# KiCad board Decent1200-Modern.kicad_pcb (continued)
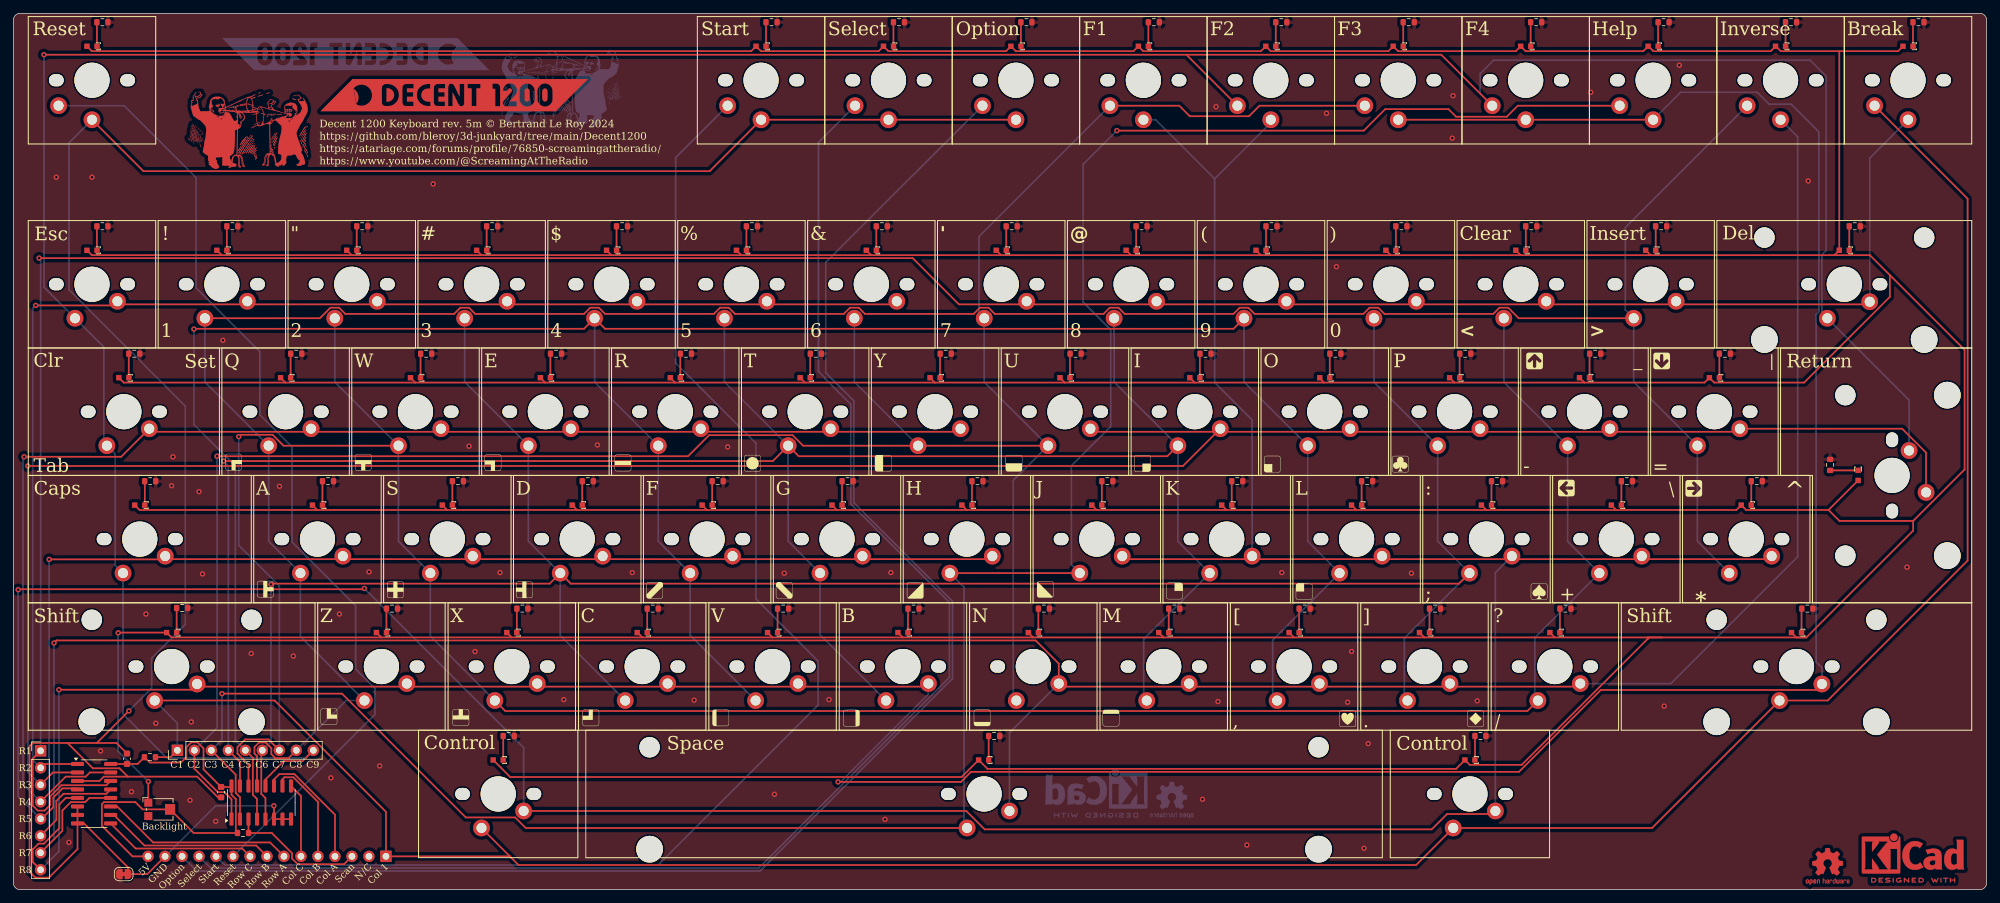
[diagram p0: board, top side]
## Nets
GND: C1.1 C2.1 J1.14 JP4.1 SWOption1.2 SWReset1.2 SWSelect1.2 SWStart1.2 U1.3 U1.6 U1.7 U1.8 U2.6 U2.7 U2.8
VCC_LED: RV1.1 SW0.4 SW1.4 SW2.4 SW3.4 SW4.4 SW5.4 SW6.4 SW7.4 SW8.4 SW9.4 SWA1.4 SWB1.4 SWBrk1.4 SWC1.4 SWComma1.4 SWCps1.4 SWCtl1.4 SWCtl2.4 SWD1.4 SWDash1.4 SWDel2.4 SWE1.4 SWEqual1.4 SWEsc1.4 SWF1.4 SWFn1.4 SWFn2.4 SWFn3.4 SWFn4.4 SWG1.4 SWGT1.4 SWH1.4 SWHlp1.4 SWI1.4 SWInv1.4 SWJ1.4 SWK1.4 SWL1.4 SWLeftSft1.4 SWLT1.4 SWM1.4 SWN1.4 SWO1.4 SWOption1.4 SWP1.4 SWPeriod1.4 SWPlus1.4 SWQ1.4 SWR1.4 SWReset1.4 SWRet2.4 SWRightSft1.4 SWS1.4 SWSelect1.4 SWSemi1.4 SWSlash1.4 SWSpc1.4 SWStar1.4 SWStart1.4 SWT1.4 SWTab1.4 SWU1.4 SWV1.4 SWW1.4 SWX1.4 SWY1.4 SWZ1.4
VDD: C1.2 C2.2 J1.15 R69.1 R70.1 RV1.2 U1.16 U2.16
COL_1: J1.1 J2.1 R70.2 SWBrk1.1 SWCtl1.1 SWCtl2.1 SWLeftSft1.1 SWRightSft1.1
COL_2: J2.2 SW6.1 SW7.1 SWFn1.1 SWFn3.1 SWN1.1 SWU1.1 SWY1.1 U2.1
COL_3: J2.3 SWH1.1 SWHlp1.1 SWJ1.1 SWSpc1.1 U2.2
COL_4: J2.4 SW5.1 SW8.1 SWB1.1 SWG1.1 SWI1.1 SWK1.1 SWM1.1 SWT1.1 U2.15
COL_5: J2.5 SW4.1 SW9.1 SWComma1.1 SWF1.1 SWL1.1 SWO1.1 SWR1.1 SWV1.1 U2.4
COL_6: J2.6 SW0.1 SW3.1 SWC1.1 SWD1.1 SWE1.1 SWP1.1 SWPeriod1.1 SWSemi1.1 U2.5
COL_7: J2.7 SW2.1 SWDash1.1 SWLT1.1 SWPlus1.1 SWS1.1 SWSlash1.1 SWW1.1 SWX1.1 U2.14
COL_8: J2.8 SW1.1 SWA1.1 SWEqual1.1 SWGT1.1 SWInv1.1 SWQ1.1 SWStar1.1 SWZ1.1 U2.13
COL_9: J2.9 SWCps1.1 SWDel2.1 SWEsc1.1 SWFn2.1 SWFn4.1 SWRet2.1 SWTab1.1 U2.12
LED_GND: JP4.2 R1.2 R2.2 R3.2 R4.2 R5.2 R6.2 R7.2 R8.2 R9.2 R10.2 R11.2 R12.2 R13.2 R14.2 R15.2 R16.2 R17.2 R18.2 R19.2 R20.2 R21.2 R22.2 R23.2 R24.2 R25.2 R26.2 R27.2 R28.2 R29.2 R30.2 R31.2 R32.2 R33.2 R34.2 R35.2 R36.2 R38.2 R39.2 R40.2 R41.2 R42.2 R43.2 R44.2 R45.2 R46.2 R47.2 R48.2 R49.2 R50.2 R51.2 R52.2 R53.2 R54.2 R55.2 R56.2 R57.2 R58.2 R59.2 R60.2 R61.2 R62.2 R63.2 R64.2 R65.2 R66.2 R67.2 R68.2
OPTION: J1.13 SWOption1.1
RESET: J1.10 SWReset1.1
ROW_1: J3.1 SW0.2 SW7.2 SW8.2 SW9.2 SWBrk1.2 SWDel2.2 SWGT1.2 SWLT1.2 U1.14
ROW_2: J3.2 SW1.2 SW2.2 SW3.2 SW4.2 SW5.2 SW6.2 SWEsc1.2 U1.1
ROW_3: J3.3 SWDash1.2 SWEqual1.2 SWI1.2 SWO1.2 SWP1.2 SWRet2.2 SWU1.2 U1.2
ROW_4: J3.4 SWE1.2 SWQ1.2 SWR1.2 SWT1.2 SWTab1.2 SWW1.2 SWY1.2 U1.15
ROW_5: J3.5 SWCtl1.2 SWCtl2.2 SWFn1.2 SWFn2.2 SWJ1.2 SWK1.2 SWL1.2 SWPlus1.2 SWSemi1.2 SWStar1.2 U1.4
ROW_6: J3.6 SWA1.2 SWCps1.2 SWD1.2 SWF1.2 SWG1.2 SWH1.2 SWS1.2 U1.13
ROW_7: J3.7 SWComma1.2 SWInv1.2 SWM1.2 SWN1.2 SWPeriod1.2 SWSlash1.2 SWSpc1.2 U1.12
ROW_8: J3.8 SWB1.2 SWC1.2 SWFn3.2 SWFn4.2 SWHlp1.2 SWLeftSft1.2 SWRightSft1.2 SWV1.2 SWX1.2 SWZ1.2 U1.5
SCAN: J1.3 R69.2 U2.3
SELECT: J1.12 SWSelect1.1
START: J1.11 SWStart1.1
Net-(J1-Pin_4): J1.4 U2.11
Net-(J1-Pin_5): J1.5 U2.10
Net-(J1-Pin_6): J1.6 U2.9
Net-(J1-Pin_7): J1.7 U1.11
Net-(J1-Pin_8): J1.8 U1.10
Net-(J1-Pin_9): J1.9 U1.9
Net-(R1-Pad1): R1.1 SWStart1.3
Net-(R2-Pad1): R2.1 SWCtl2.3
Net-(R3-Pad1): R3.1 SWBrk1.3
Net-(R4-Pad1): R4.1 SWCtl1.3
Net-(R5-Pad1): R5.1 SWLeftSft1.3
Net-(R6-Pad1): R6.1 SWRightSft1.3
Net-(R7-Pad1): R7.1 SWSelect1.3
Net-(R8-Pad1): R8.1 SW7.3
Net-(R9-Pad1): R9.1 SW6.3
Net-(R10-Pad1): R10.1 SWU1.3
Net-(R11-Pad1): R11.1 SWY1.3
Net-(R12-Pad1): R12.1 SWFn1.3
Net-(R13-Pad1): R13.1 SWN1.3
Net-(R14-Pad1): R14.1 SWFn3.3
Net-(R15-Pad1): R15.1 SWOption1.3
Net-(R16-Pad1): R16.1 SWJ1.3
Net-(R17-Pad1): R17.1 SWH1.3
Net-(R18-Pad1): R18.1 SWSpc1.3
Net-(R19-Pad1): R19.1 SWHlp1.3
Net-(R20-Pad1): R20.1 SWReset1.3
Net-(R21-Pad1): R21.1 SW8.3
Net-(R22-Pad1): R22.1 SW5.3
Net-(R23-Pad1): R23.1 SWI1.3
Net-(R24-Pad1): R24.1 SWT1.3
Net-(R25-Pad1): R25.1 SWK1.3
Net-(R26-Pad1): R26.1 SWG1.3
Net-(R27-Pad1): R27.1 SWM1.3
Net-(R28-Pad1): R28.1 SWB1.3
Net-(R29-Pad1): R29.1 SW9.3
Net-(R30-Pad1): R30.1 SW4.3
Net-(R31-Pad1): R31.1 SWO1.3
Net-(R32-Pad1): R32.1 SWR1.3
Net-(R33-Pad1): R33.1 SWL1.3
Net-(R34-Pad1): R34.1 SWF1.3
Net-(R35-Pad1): R35.1 SWComma1.3
Net-(R36-Pad1): R36.1 SWV1.3
Net-(R38-Pad1): R38.1 SW0.3
Net-(R39-Pad1): R39.1 SW3.3
Net-(R40-Pad1): R40.1 SWP1.3
Net-(R41-Pad1): R41.1 SWE1.3
Net-(R42-Pad1): R42.1 SWSemi1.3
Net-(R43-Pad1): R43.1 SWD1.3
Net-(R44-Pad1): R44.1 SWPeriod1.3
Net-(R45-Pad1): R45.1 SWC1.3
Net-(R46-Pad1): R46.1 SWLT1.3
Net-(R47-Pad1): R47.1 SW2.3
Net-(R48-Pad1): R48.1 SWDash1.3
Net-(R49-Pad1): R49.1 SWW1.3
Net-(R50-Pad1): R50.1 SWPlus1.3
Net-(R51-Pad1): R51.1 SWS1.3
Net-(R52-Pad1): R52.1 SWSlash1.3
Net-(R53-Pad1): R53.1 SWX1.3
Net-(R54-Pad1): R54.1 SWGT1.3
Net-(R55-Pad1): R55.1 SW1.3
Net-(R56-Pad1): R56.1 SWEqual1.3
Net-(R57-Pad1): R57.1 SWQ1.3
Net-(R58-Pad1): R58.1 SWStar1.3
Net-(R59-Pad1): R59.1 SWA1.3
Net-(R60-Pad1): R60.1 SWInv1.3
Net-(R61-Pad1): R61.1 SWZ1.3
Net-(R62-Pad1): R62.1 SWDel2.3
Net-(R63-Pad1): R63.1 SWEsc1.3
Net-(R64-Pad1): R64.1 SWRet2.3
Net-(R65-Pad1): R65.1 SWTab1.3
Net-(R66-Pad1): R66.1 SWFn2.3
Net-(R67-Pad1): R67.1 SWCps1.3
Net-(R68-Pad1): R68.1 SWFn4.3

Pads without a net: J1 2; RV1 3

## Via types
v1: diameter 0.8, hole 0.4, Top to Bottom, 78 vias

## Routing (per net, layer and track width the routed paths; a pad name or vN(x,y) marks a point on that pad's centre or on a via; arc(x,y) is an arc through that point)
GND: length 377.6
  Top w0.25: SWOption1.2 SWSelect1.2 SWStart1.2 104.07,107.41 19.44,107.41 SWReset1.2 ; v1(17.26,26.71) 12.48,21.92 12.46,21.92 ; 12.46,21.92 8.1,21.92 ; 12.46,21.92 15.41,21.92 C1.1 ; 9.59,9.89 10.56,9.89 17.14,3.31 JP4.1 20.02,2.32 J1.14 ; 9.59,9.89 9.59,6.06 5.32,1.79 3.29,1.79 2.42,2.66 2.42,21.46 2.89,21.92 8.1,21.92 ; 9.59,9.89 U1.7 U1.6 ; C2.1 30.58,13.79 27.48,16.89 17.11,16.89 ; 8.1,21.92 8.1,21.92 11.88,18.14 15.86,18.14 17.11,16.89 ; 17.11,16.89 13.51,16.89 12.86,16.24 U1.3 ; U2.8 U2.6 38.96,12.51 v1(38.93,12.54)
  Bottom w0.25: SWReset1.2 8.32,111.67 8.32,89.69 25.7,72.31 25.7,39.64 20.66,34.59 20.66,30.11 v1(17.26,26.71) ; J1.14 30.24,12.54 v1(38.93,12.54)
VCC_LED: length 1709.4
  Top w0.25: SWSemi1.4 220.18,56.75 ; 220.18,56.75 200.76,56.75 ; 220.18,56.75 239.59,56.75 ; 54.99,37.7 23.63,37.7 SWLeftSft1.4 15.71,38.43 v1(15.67,38.39) ; 54.99,37.7 SWZ1.4 ; 54.99,37.7 74.48,37.7 ; SW1.4 31.14,94.85 ; 31.14,94.85 50.56,94.85 ; 31.14,94.85 11.73,94.85 SWEsc1.4 ; 64.85,56.75 84.26,56.75 ; 64.85,56.75 45.43,56.75 ; 64.85,56.75 SWS1.4 ; 84.26,56.75 SWD1.4 ; 84.26,56.75 103.68,56.75 ; 272.21,94.85 SWDel2.4 272.94,125.34 ; 272.21,94.85 244.72,94.85 ; 272.21,94.85 277.52,94.85 280.49,91.88 ; 45.43,56.75 SWA1.4 ; 45.43,56.75 18.87,56.75 SWCps1.4 ; 50.56,94.85 SW2.4 ; 50.56,94.85 69.97,94.85 ; 263.46,126.08 264.19,125.35 281.74,125.35 SWBrk1.4 ; 210.91,37.7 230.4,37.7 ; 210.91,37.7 SWPeriod1.4 ; 210.91,37.7 191.42,37.7 ; 230.4,37.7 244.3,37.7 ; 230.4,37.7 SWSlash1.4 ; SWH1.4 142.51,56.75 ; 142.51,56.75 161.93,56.75 ; 142.51,56.75 123.09,56.75 ; 60.08,75.8 79.5,75.8 ; 60.08,75.8 SWW1.4 ; 60.08,75.8 40.67,75.8 ; 79.5,75.8 98.92,75.8 ; 79.5,75.8 SWE1.4 ; 108.81,94.85 128.22,94.85 ; 108.81,94.85 SW5.4 ; 108.81,94.85 89.39,94.85 ; 128.22,94.85 SW6.4 ; 128.22,94.85 147.64,94.85 ; 244.3,37.49 225.47,18.66 217.7,18.66 SWCtl2.4 215.66,18.06 145.61,18.06 SWSpc1.4 141.74,16.83 74.27,16.83 SWCtl1.4 ; 244.3,37.49 244.52,37.7 246.42,37.7 ; 244.3,37.49 244.3,37.7 ; SWR1.4 98.92,75.8 ; 98.92,75.8 118.33,75.8 ; 113.46,37.7 132.95,37.7 ; 113.46,37.7 SWV1.4 ; 113.46,37.7 94.02,37.7 ; 132.95,37.7 SWB1.4 ; 132.95,37.7 152.44,37.7 ; SWG1.4 123.09,56.75 ; 123.09,56.75 103.68,56.75 ; SWP1.4 215.41,75.8 ; 215.41,75.8 234.83,75.8 ; 215.41,75.8 195.91,75.8 ; 280.49,91.88 280.49,88.61 267.69,75.8 254.25,75.8 SWEqual1.4 252.8,75.8 234.83,75.8 ; 280.49,91.88 291.67,80.7 291.67,62.81 283.98,55.12 ; SWQ1.4 40.67,75.8 ; 40.67,75.8 16.49,75.8 SWTab1.4 ; v1(20.18,16.16) 20.17,16.15 RV1.1 ; SWLT1.4 225.3,94.85 ; 225.3,94.85 244.72,94.85 ; 225.3,94.85 205.89,94.85 ; SW7.4 147.64,94.85 ; 147.64,94.85 167.06,94.85 ; 181.34,56.75 200.76,56.75 ; 181.34,56.75 161.93,56.75 ; 181.34,56.75 SWK1.4 ; 200.76,56.75 SWL1.4 ; 176.58,75.8 195.91,75.8 ; 176.58,75.8 SWI1.4 ; 176.58,75.8 157.16,75.8 ; 195.91,75.8 195.27,76.44 ; 89.39,94.85 SW4.4 ; 89.39,94.85 69.97,94.85 ; SWDash1.4 234.83,75.8 ; 283.98,55.12 272.97,55.12 271.33,56.75 ; 283.98,55.12 283.98,53.67 268.02,37.7 ; 271.33,56.75 259.01,56.75 SWStar1.4 257.56,56.75 239.59,56.75 ; 271.33,56.75 SWRet2.4 ; 244.72,94.85 SWGT1.4 ; SWT1.4 118.33,75.8 ; 118.33,75.8 137.75,75.8 ; SW3.4 69.97,94.85 ; SW0.4 205.89,94.85 ; 205.89,94.85 186.47,94.85 ; SWX1.4 74.48,37.7 ; 74.48,37.7 94.02,37.7 ; 244.41,126.08 245.14,125.35 262.69,125.35 SWInv1.4 ; SWComma1.4 191.42,37.7 ; 191.42,37.7 171.93,37.7 ; 171.93,37.7 152.44,37.7 ; 171.93,37.7 SWM1.4 ; 246.42,37.7 268.02,37.7 ; 246.42,37.7 244.3,37.7 ; SWRightSft1.4 266.52,37.7 268.02,37.7 ; 94.02,37.7 93.29,38.43 ; 161.93,56.75 SWJ1.4 ; 152.44,37.7 SWN1.4 ; 137.75,75.8 157.16,75.8 ; 137.75,75.8 SWY1.4 ; 157.16,75.8 SWU1.4 ; SWReset1.4 11.73,125.35 110.29,125.35 SWStart1.4 111.74,125.35 129.34,125.35 SWSelect1.4 130.79,125.35 148.39,125.35 SWOption1.4 149.84,125.35 167.44,125.35 SWFn1.4 168.89,125.35 186.49,125.35 SWFn2.4 187.94,125.35 205.54,125.35 SWFn3.4 206.99,125.35 224.59,125.35 SWFn4.4 226.04,125.35 243.64,125.35 SWHlp1.4 ; SWPlus1.4 239.59,56.75 ; SW8.4 167.06,94.85 ; 167.06,94.85 186.47,94.85 ; 103.68,56.75 SWF1.4 ; SW9.4 186.47,94.85
  Bottom w0.25: v1(15.67,38.39) 15.67,20.68 v1(20.18,16.16)
VDD: length 66.8
  Top w0.25: U2.16 32.61,14.19 33.25,13.54 33.25,8.72 ; C1.2 18.59,18.79 R70.1 20.39,19 25.04,19 25.86,19.82 25.86,21.29 26.6,22.03 27.51,22.03 28.42,21.12 28.42,17.97 C2.2 32.46,15.34 ; R69.1 26.95,8.47 RV1.2 19.32,12 18.24,13.08 13.53,13.08 13.24,12.79 13.24,9.54 17.8,4.97 J1.15 ; U1.16 16.98,18.78
COL_1: length 396.3
  Top w0.25: 74.25,4.94 74.22,4.97 J1.1 55.69,11.63 39.05,28.27 SWLeftSft1.1 ; 74.25,4.94 75.52,3.68 209.68,3.68 SWCtl2.1 244.95,9.22 SWRightSft1.1 271.2,28.27 292.12,49.19 292.12,103.29 SWBrk1.1 ; 74.25,4.94 SWCtl1.1 ; J2.1 23.49,19.8 R70.2
  Bottom w0.25: J2.1 24.52,24.87 SWLeftSft1.1
COL_2: length 349
  Top w0.25: v1(30.44,64.79) 100.85,64.79 104,67.94 116.47,67.94 118.04,66.37 SWY1.1 SWU1.1 ; J2.2 27.06,18.08 30.57,14.57 31.55,14.57 32.61,13.51 U2.1 ; SWFn1.1 174.28,117.2 175.86,115.62 184.7,115.62 186.28,117.2 SWFn3.1
  Bottom w0.25: SW7.1 145.12,75.89 SWU1.1 149.46,61.18 149.46,28.73 ; 144.35,86.19 144.35,97.64 SWFn1.1 ; SW6.1 125.71,75.89 SWY1.1 ; v1(30.44,64.79) 30.46,64.77 30.46,24.23 J2.2
COL_3: length 349.3
  Top w0.25: SWSpc1.1 76.58,9.22 75.01,10.79 67.63,10.79 49.12,29.3 v1(31.19,29.3) ; U2.2 33.88,13.82 33.23,14.47 33.23,17.19 J2.3 ; v1(164.95,113.47) 201.85,113.47 205.06,116.67 214.53,116.67 215.65,115.55 223.24,115.55 224.89,117.2 SWHlp1.1 ; SWH1.1 SWJ1.1
  Bottom w0.25: SWJ1.1 158.16,48.57 158.16,63.37 164.03,69.24 164.03,83.7 159.9,87.83 159.9,108.42 v1(164.95,113.47) ; SWH1.1 142.1,45.22 142.1,9.68 ; v1(31.19,29.3) 31.19,22.42 J2.3
COL_4: length 328.3
  Top w0.25: v1(31.42,64.07) 113.52,64.07 SWT1.1 117.39,64.79 172.49,64.79 SWI1.1 ; U2.15 33.88,19.09 J2.4
  Bottom w0.25: v1(31.42,64.07) 32.14,63.35 J2.4 ; 168.95,28.73 168.95,37.44 SWK1.1 174.07,52.08 SWI1.1 164.54,75.89 SW8.1 ; SWB1.1 120.58,38.12 SWG1.1 115.82,52.08 SWT1.1 106.29,75.89 SW5.1
COL_5: length 369.8
  Top w0.25: SW9.1 182.38,83.84 88.45,83.84 SW4.1 85.3,83.84 27.04,83.84 v1(26.99,83.8) ; U2.4 36.42,13.55 35.79,14.18 35.79,19.71 J2.5
  Bottom w0.25: 188.23,28.94 188.23,37.31 SWL1.1 193.48,52.08 SWO1.1 183.96,75.89 SW9.1 ; J2.5 33.19,22.31 33.19,63.33 26.99,69.53 v1(26.99,83.8) ; SW4.1 86.88,75.89 SWR1.1 96.4,52.08 SWF1.1 101.16,38.05 SWV1.1
COL_6: length 350.6
  Top w0.25: U2.5 37.69,13.69 37.06,14.32 37.06,20.67 ; v1(38.5,45.63) 38.62,45.74 80.17,45.74 SWD1.1 83.32,45.74 216.09,45.74 SWSemi1.1
  Bottom w0.25: 207.93,28.73 207.93,37.59 SWSemi1.1 212.9,52.08 SWP1.1 203.37,75.89 SW0.1 ; J2.6 38.5,22.11 v1(38.5,45.63) ; SW3.1 67.46,75.89 SWE1.1 76.98,52.08 SWD1.1 81.75,37.98 SWC1.1
COL_7: length 378.9
  Top w0.25: SWSlash1.1 226.31,26.69 73.54,26.69 SWX1.1 ; v1(33.68,67.72) 33.96,68 38.75,68 40.38,66.37 SWW1.1 ; J2.7 38.13,22.45 34.64,22.45 33.49,21.3 33.49,20.35 35.15,18.69 U2.14
  Bottom w0.25: SWX1.1 62.33,37.9 SWS1.1 57.57,52.08 SWW1.1 48.04,75.89 SW2.1 ; v1(33.68,67.72) 33.68,51.48 39.76,45.4 J2.7 ; 227.42,28.73 227.42,37.66 SWPlus1.1 232.31,52.08 SWDash1.1 222.79,75.89 SWLT1.1
COL_8: length 400.4
  Top w0.25: J2.8 41.12,19.65 39.18,19.65 38.56,20.27 38.56,21.14 37.7,22 36.73,22 36.04,21.31 36.04,20.34 36.42,19.96 U2.13 ; SWGT1.1 225.02,85.42 223.44,86.99 222.14,86.99 221.21,86.07 204.95,86.07 204.03,86.99 202.72,86.99 201.8,86.07 185.53,86.07 184.61,86.99 183.3,86.99 182.38,86.07 166.12,86.07 165.19,86.99 163.89,86.99 162.97,86.07 146.7,86.07 145.78,86.99 144.47,86.99 143.55,86.07 127.28,86.07 126.36,86.99 125.06,86.99 124.13,86.07 107.87,86.07 106.94,86.99 105.64,86.99 104.72,86.07 88.45,86.07 87.53,86.99 86.22,86.99 85.3,86.07 69.03,86.07 68.11,86.99 66.81,86.99 65.88,86.07 49.62,86.07 48.7,86.99 47.39,86.99 45.82,85.42 SW1.1
  Bottom w0.25: J2.8 49.74,28.27 SWZ1.1 42.91,37.83 SWA1.1 38.15,52.08 SWQ1.1 28.63,75.89 SW1.1 ; SWInv1.1 240.96,98.99 240.96,86.67 SWGT1.1 242.21,75.89 SWEqual1.1 251.73,52.08 SWStar1.1
COL_9: length 495.5
  Top w0.25: J2.9 43.21,19.2 40.42,19.2 37.69,16.47 U2.12 ; 175.34,124.82 SWFn2.1 ; 175.34,124.82 v1(4.57,124.82) ; 175.34,124.82 213.44,124.82 SWFn4.1
  Bottom w0.25: SWFn4.1 219.26,119 219.26,121.99 221.27,124 268.57,124 270.97,121.6 270.97,95.55 270.33,94.91 270.33,86.24 SWDel2.1 283.37,73.2 SWRet2.1 ; SWTab1.1 15.22,65.12 15.22,48.49 SWCps1.1 16.39,26.23 22.97,19.65 43.66,19.65 J2.9 ; 13.51,66.83 13.51,81.12 SWEsc1.1 4.57,90.06 v1(4.57,124.82)
LED_GND:
  vias: v1(6.42,106.5) v1(8.3,7.07) v1(11.75,106.5) v1(13.03,20.74) v1(17.65,14.64) v1(19.81,41.2) v1(21.29,24.87) v1(23.65,60.38) v1(23.85,64.71) v1(26.4,13.36) v1(26.6,25.07) v1(27.75,59.5) v1(28.27,47.2) v1(30.24,10.21) v1(31.32,82.12) v1(35.55,35.3) v1(39.78,60.29) v1(41.85,34.91) v1(47.46,16.71) v1(48.74,41.2) v1(53.16,47.5) v1(54.75,18.5) v1(62.75,105.5) v1(68.11,66.29) v1(69,35.59) v1(72.74,47.4) v1(82.28,28.41) v1(87.3,66.48) v1(92.51,47.4) v1(101.76,28.32) v1(106.77,66.19) v1(113.76,14.25) v1(115.23,47.3) v1(121.92,28.41) v1(130.29,10.51) v1(131.17,47.4) v1(177.75,13.5) v1(179.77,117.05) v1(180.06,28.12) v1(184.39,6.67) v1(189.6,47.4) v1(196.29,116.06) v1(197.77,93.14) v1(199.44,28.02) v1(200.03,35.61) v1(201.9,6.18) v1(202.52,21.83) v1(208.98,47.3) v1(215.08,112.34) v1(215.2,118.69) v1(218.82,28.22) v1(235.78,119.2) v1(246.76,27.43) v1(249.02,123.24) v1(268.3,105.95) v1(283.06,48.2)
OPTION: length 231.2
  Bottom w0.25: J1.13 27.41,2.78 111.6,2.78 140.38,31.55 140.38,43.11 125.62,57.87 125.62,73.09 121.43,77.28 121.43,93.77 SWOption1.1
RESET: length 146.3
  Bottom w0.25: J1.10 54.05,26.19 54.05,30.07 51.16,32.96 51.16,42.45 41.65,51.96 41.65,66.19 36.84,71 36.84,80.44 27.31,89.97 27.31,106.43 16.55,117.2 SWReset1.1
ROW_1: length 397.1
  Top w0.25: v1(3.85,94.42) 3.86,94.4 134.44,94.4 141.34,87.5 151,87.5 ; U1.14 13.9,15.61 7.18,15.61 5.48,13.91 5.48,12.63 4.67,11.82 3.64,11.82 2.89,12.57 2.89,19.57 J3.1 ; 249.01,87.5 277.1,87.5 ; 151.92,87.5 170.42,87.5 ; 229.59,87.5 248.09,87.5 ; 171.34,87.5 189.84,87.5 ; 210.17,87.5 228.67,87.5 ; 190.76,87.5 209.25,87.5
  Bottom w0.25: v1(3.85,94.42) 3.85,94.25 4.07,94.03 J3.1 ; SWBrk1.2 277.49,109.38 SWDel2.2
ROW_2: length 198
  Top w0.25: 35.43,87.5 53.92,87.5 ; 74.26,87.5 92.76,87.5 ; 14.93,87.34 v1(3.34,87.34) ; 93.68,87.5 112.17,87.5 ; 16.01,87.5 34.51,87.5 ; 54.92,87.5 73.34,87.5 ; J3.2 4.64,18.78 U1.1 ; 113.16,87.5 131.59,87.5
  Bottom w0.25: v1(3.34,87.34) 2.89,86.89 2.89,19.38 J3.2
ROW_3: length 363
  Top w0.25: 219.7,68.45 238.19,68.45 ; SWI1.2 174.84,63.34 v1(2.17,63.34) ; 9.59,17.51 5.91,17.51 J3.3 ; 180.87,68.45 199.36,68.45 ; SWRet2.2 285.91,65.33 282.33,68.91 SWEqual1.2 ; 200.28,68.45 218.78,68.45 ; 239.11,68.45 257.61,68.45 ; 161.45,68.45 179.95,68.45
  Bottom w0.25: J3.3 2.17,17.57 v1(2.17,63.34)
ROW_4: length 201.2
  Top w0.25: 44.95,68.45 63.45,68.45 ; 14.54,17.51 11.44,17.51 10.81,16.89 7.83,16.89 J3.4 ; 122.62,68.45 141.11,68.45 ; v1(1.61,64.71) 16.11,64.71 SWTab1.2 ; 20.77,68.45 44.03,68.45 ; 64.37,68.45 82.86,68.45 ; 103.2,68.45 121.7,68.45 ; 83.78,68.45 102.28,68.45
  Bottom w0.25: J3.4 1.44,15.75 1.44,64.54 v1(1.61,64.71)
ROW_5: length 502
  Top w0.25: 205.04,49.4 223.54,49.4 ; SWCtl1.2 142.44,11.76 145.19,9.01 212.01,9.01 214.3,11.3 221.07,11.3 ; 224.46,49.4 242.96,49.4 ; 9.5,15.14 7.35,15.14 5.97,13.76 5.97,12.34 4.23,10.59 ; v1(52.47,45.02) 52.36,44.9 0.78,44.9 v1(0.72,44.84) ; 243.88,49.4 262.37,49.4 ; 185.63,49.4 204.12,49.4 ; 166.21,49.4 184.71,49.4
  Bottom w0.25: SWCtl2.2 221.53,47.39 SWSemi1.2 ; v1(0.72,44.84) 0.72,13.94 J3.5 ; SWCtl1.2 76.27,21.22 v1(52.47,45.02) ; 179.57,106.27 170.74,115.1 SWFn1.2 ; 179.57,106.27 179.57,75.82 185.17,70.22 SWK1.2 ; 179.57,106.27 187.96,114.66
ROW_6: length 191.8
  Top w0.25: J3.6 6.42,10.41 6.42,13.26 7.49,14.33 13.89,14.33 U1.13 ; 127.38,49.4 145.88,49.4 ; 88.55,49.4 107.04,49.4 ; 23.15,49.4 48.79,49.4 ; 69.13,49.4 87.63,49.4 ; v1(5.35,49.37) 22.2,49.37 ; 49.71,49.4 68.21,49.4 ; 107.96,49.4 126.46,49.4
  Bottom w0.25: v1(5.35,49.37) 5.35,9.33 J3.6
ROW_7: length 405.7
  Top w0.25: v1(6.08,36.87) 6.46,37.25 152.8,37.25 156.26,33.79 SWN1.2 ; 176.21,30.35 194.78,30.35 ; 156.72,30.35 175.29,30.35 ; 195.7,30.35 214.27,30.35 ; 215.19,30.35 233.76,30.35 ; U1.12 11.36,13.7 10.73,13.08 8.58,13.08 7.32,11.82 7.32,8.77 J3.7
  Bottom w0.25: v1(6.08,36.87) 6.08,7.52 J3.7 ; SWN1.2 148.9,23.45 SWSpc1.2 ; SWSlash1.2 247.77,30.81 266.71,49.76 266.71,112.55 SWInv1.2
ROW_8: length 493.1
  Top w0.25: SWRightSft1.2 269.45,29.84 237.29,29.84 225.06,17.61 143.15,17.61 141.65,16.1 v1(123.27,16.1) ; U1.5 7.83,13.7 6.87,12.75 6.87,9.2 4.55,6.88 3.76,6.88 2.97,6.08 2.89,6.08 2.89,4.14 J3.8 ; 59.28,30.35 77.85,30.35 ; v1(6.8,29.89) 26.61,29.89 SWLeftSft1.2 ; SWFn3.2 SWFn4.2 SWHlp1.2 ; 27.85,30.35 58.36,30.35 ; 78.77,30.35 97.33,30.35 ; 98.25,30.35 116.82,30.35 ; 117.74,30.35 136.31,30.35
  Bottom w0.25: SWHlp1.2 249.21,119.2 260.67,119.2 262.45,117.42 265.75,117.42 269.88,113.29 269.88,86.38 269.48,85.98 269.48,34.06 270.34,33.19 SWRightSft1.2 ; v1(123.27,16.1) 123.66,16.1 136.78,29.23 136.78,30.8 ; J3.8 6.8,5.7 v1(6.8,29.89)
SCAN: length 20.4
  Top w0.25: R69.2 38.62,8.47 41.65,5.44 41.65,4.65 42.5,3.8 49.44,3.8 J1.3 ; U2.3 35.15,8.48
SELECT: length 220.5
  Bottom w0.25: J1.12 29.5,3.23 111.42,3.23 139.93,31.74 139.93,42.92 125.17,57.68 125.17,72.56 121.33,76.4 121.33,76.5 120.35,77.48 120.35,111.74 SWSelect1.1
START: length 202.1
  Bottom w0.25: J1.11 31.59,3.68 96.38,3.68 120.29,27.59 120.29,34.16 111,43.45 111,66.72 99,78.72 99,109.44 SWStart1.1
Net-(J1-Pin_4): length 19.2
  Top w0.25: J1.4 48.07,11.21 42.01,17.27 39.76,17.27 38.96,16.47 U2.11
Net-(J1-Pin_5): length 16.1
  Top w0.25: J1.5 45.53,13.11 41.85,16.79 40.51,16.79 40.23,16.51 U2.10
Net-(J1-Pin_6): length 11.1
  Top w0.25: U2.9 42.99,14 J1.6
Net-(J1-Pin_7): length 29
  Top w0.25: U1.11 15.51,12.44 20.9,7.05 38.38,7.05 J1.7
Net-(J1-Pin_8): length 25.5
  Top w0.25: J1.8 36.29,6.6 19.58,6.6 15.02,11.16
Net-(J1-Pin_9): length 22.9
  Top w0.25: 14.54,9.89 18.28,6.15 34.2,6.15 J1.9
Net-(R1-Pad1): length 3.6
  Top w0.25: R1.1 112.51,126.09
Net-(R2-Pad1): length 3.6
  Top w0.25: SWCtl2.3 218.48,22.97
Net-(R3-Pad1): length 3.6
  Top w0.25: R3.1 283.96,126.09
Net-(R4-Pad1): length 3.6
  Top w0.25: SWCtl1.3 73.22,22.96
Net-(R5-Pad1): length 3.7
  Top w0.25: SWLeftSft1.3 24.41,42.1
Net-(R6-Pad1): length 3.5
  Top w0.25: SWRightSft1.3 267.29,41.97
Net-(R7-Pad1): length 3.6
  Top w0.25: R7.1 131.56,126.09
Net-(R8-Pad1): length 3.6
  Top w0.25: SW7.3 148.41,99.16
Net-(R9-Pad1): length 3.6
  Top w0.25: R9.1 128.99,95.59
Net-(R10-Pad1): length 3.6
  Top w0.25: SWU1.3 157.94,80.1
Net-(R11-Pad1): length 3.6
  Top w0.25: SWY1.3 138.52,80.1
Net-(R12-Pad1): length 3.6
  Top w0.25: R12.1 169.66,126.09
Net-(R13-Pad1): length 3.6
  Top w0.25: SWN1.3 153.21,42.01
Net-(R14-Pad1): length 3.6
  Top w0.25: R14.1 207.76,126.09
Net-(R15-Pad1): length 3.6
  Top w0.25: R15.1 150.61,126.09
Net-(R16-Pad1): length 3.6
  Top w0.25: SWJ1.3 162.7,61.06
Net-(R17-Pad1): length 3.6
  Top w0.25: SWH1.3 143.29,61.06
Net-(R18-Pad1): length 3.6
  Top w0.25: SWSpc1.3 R18.1
Net-(R19-Pad1): length 3.6
  Top w0.25: R19.1 245.86,126.09
Net-(R20-Pad1): length 3.6
  Top w0.25: R20.1 12.49,126.09
Net-(R21-Pad1): length 3.6
  Top w0.25: SW8.3 167.83,99.16
Net-(R22-Pad1): length 3.6
  Top w0.25: R22.1 109.57,95.59
Net-(R23-Pad1): length 3.6
  Top w0.25: SWI1.3 177.36,80.1
Net-(R24-Pad1): length 3.6
  Top w0.25: SWT1.3 119.11,80.1
Net-(R25-Pad1): length 3.6
  Top w0.25: SWK1.3 182.12,61.06
Net-(R26-Pad1): length 3.6
  Top w0.25: SWG1.3 123.87,61.06
Net-(R27-Pad1): length 3.6
  Top w0.25: SWM1.3 172.7,42.01
Net-(R28-Pad1): length 3.6
  Top w0.25: SWB1.3 133.72,42.01
Net-(R29-Pad1): length 3.6
  Top w0.25: SW9.3 187.25,99.16
Net-(R30-Pad1): length 3.6
  Top w0.25: R30.1 90.16,95.59
Net-(R31-Pad1): length 3.6
  Top w0.25: SWO1.3 196.77,80.1
Net-(R32-Pad1): length 3.6
  Top w0.25: SWR1.3 99.69,80.1
Net-(R33-Pad1): length 3.6
  Top w0.25: SWL1.3 201.53,61.06
Net-(R34-Pad1): length 3.6
  Top w0.25: SWF1.3 104.45,61.06
Net-(R35-Pad1): length 3.6
  Top w0.25: SWComma1.3 192.19,42.01
Net-(R36-Pad1): length 3.6
  Top w0.25: SWV1.3 114.23,42.01
Net-(R38-Pad1): length 3.6
  Top w0.25: SW0.3 206.66,99.16
Net-(R39-Pad1): length 3.6
  Top w0.25: R39.1 70.74,95.59
Net-(R40-Pad1): length 3.6
  Top w0.25: SWP1.3 216.19,80.1
Net-(R41-Pad1): length 3.6
  Top w0.25: SWE1.3 80.27,80.1
Net-(R42-Pad1): length 3.6
  Top w0.25: SWSemi1.3 220.95,61.06
Net-(R43-Pad1): length 3.6
  Top w0.25: SWD1.3 85.04,61.06
Net-(R44-Pad1): length 3.6
  Top w0.25: SWPeriod1.3 211.68,42.01
Net-(R45-Pad1): length 3.6
  Top w0.25: SWC1.3 94.74,42.01
Net-(R46-Pad1): length 3.6
  Top w0.25: SWLT1.3 226.08,99.16
Net-(R47-Pad1): length 3.6
  Top w0.25: R47.1 51.33,95.59
Net-(R48-Pad1): length 3.6
  Top w0.25: SWDash1.3 235.6,80.1
Net-(R49-Pad1): length 3.6
  Top w0.25: SWW1.3 60.86,80.1
Net-(R50-Pad1): length 3.6
  Top w0.25: SWPlus1.3 240.37,61.06
Net-(R51-Pad1): length 3.6
  Top w0.25: SWS1.3 65.62,61.06
Net-(R52-Pad1): length 3.6
  Top w0.25: SWSlash1.3 231.17,42.01
Net-(R53-Pad1): length 3.6
  Top w0.25: SWX1.3 75.26,42.01
Net-(R54-Pad1): length 3.6
  Top w0.25: SWGT1.3 245.5,99.16
Net-(R55-Pad1): length 3.6
  Top w0.25: R55.1 31.91,95.59
Net-(R56-Pad1): length 3.6
  Top w0.25: R56.1 255.02,76.54
Net-(R57-Pad1): length 3.6
  Top w0.25: SWQ1.3 41.44,80.1
Net-(R58-Pad1): length 3.6
  Top w0.25: SWStar1.3 259.78,61.06
Net-(R59-Pad1): length 3.6
  Top w0.25: SWA1.3 46.2,61.06
Net-(R60-Pad1): length 3.6
  Top w0.25: R60.1 264.91,126.09
Net-(R61-Pad1): length 3.6
  Top w0.25: SWZ1.3 55.77,42.01
Net-(R62-Pad1): length 3.6
  Top w0.25: SWDel2.3 274.44,99.16
Net-(R63-Pad1): length 3.6
  Top w0.25: R63.1 12.49,95.59
Net-(R64-Pad1): length 4.2
  Top w0.25: SWRet2.3 R64.1
Net-(R65-Pad1): length 3.6
  Top w0.25: R65.1 17.25,76.55
Net-(R66-Pad1): length 3.6
  Top w0.25: R66.1 188.71,126.09
Net-(R67-Pad1): length 3.6
  Top w0.25: SWCps1.3 19.64,61.04
Net-(R68-Pad1): length 3.6
  Top w0.25: R68.1 226.81,126.09

## Copper pours and planes (outline as drawn; the poured copper is in the pictures)
LED_GND on Top, Bottom: -1.25,132.5 298.75,132.5 298.75,-1.5 -1.25,-1.5

## Text on the board
B.Silkscreen: C8 | C7 | C6 | C5 | C4 | C3 | C2 | C9 | R2 | R4 | R6 | R8 | (14,10) | (14,11) | (14,12) | (14,13) | (R5,C2) | (R5,C9) | (R8,C2) | (R8,C9) | (R8,C3) | (R7,C8) | (R1,C1) | (R8,C1) | (R5,C1) | (R7,C3) | R1 | R3 | R5 | R7 | C1 | (R3,C9) | 5V | GND | Option | Select | Start | Reset | Row C | Row B | Row A | Col C | Col B | Col A | Scan | N/C | Decent 1200 Keyboard rev. 5m © Bertrand Le Roy 2024 / https://github.com/bleroy/3d-junkyard/tree/main/Decent1200 / https://atariage.com/forums/profile/76850-screamingattheradio/ / https://www.youtube.com/@ScreamingAtTheRadio | Del | Set | _ | \ | | | Return | Caps | Control | Space | F1 | F2 | F3 | F4 | Help | Inverse | Break | Esc | Clr | Shift | ! | Q | A | {dblquote} | Z | W | S | # | X | E | D | $ | C | R | F | % | V | T | G | & | B | Y | H | N | U | J | M | I | K | ( | [ | O | L | ) | ] | P | : | Clear | ? | Insert | 1 | 2 | 3 | 4 | 5 | 6 | 7 | 8 | 9 | 0 | Tab | , | . | ; | / | - | + | = | ' | @ | < | > | ^ | *
F.Silkscreen: Backlight | R1 | R2 | R3 | R4 | R5 | R6 | R7 | R8 | C1 | C2 | C3 | C4 | C5 | C6 | C7 | C8 | C9 | 5V | GND | Option | Select | Start | Reset | Row C | Row B | Row A | Col C | Col B | Col A | Scan | N/C | Col 1 | Decent 1200 Keyboard rev. 5m © Bertrand Le Roy 2024 / https://github.com/bleroy/3d-junkyard/tree/main/Decent1200 / https://atariage.com/forums/profile/76850-screamingattheradio/ / https://www.youtube.com/@ScreamingAtTheRadio | Clr | Caps | Shift | Esc | ! | Q | A | {dblquote} | Z | W | S | # | Control | X | E | D | $ | C | R | F | Space | % | V | T | G | & | B | Y | H | N | U | J | F1 | M | I | K | ( | F2 | [ | O | L | ) | F3 | ] | P | : | Clear | F4 | ? | Insert | Help | Inverse | Del | Return | Break | Tab | 1 | 2 | 3 | 4 | 5 | 6 | 7 | 8 | 9 | , | 0 | . | ; | / | - | + | = | Set | _ | \ | | | ' | @ | < | > | * | ^
